# Altium PCB Freezer_Controller.PcbDoc (part 2 of 3) (continued)
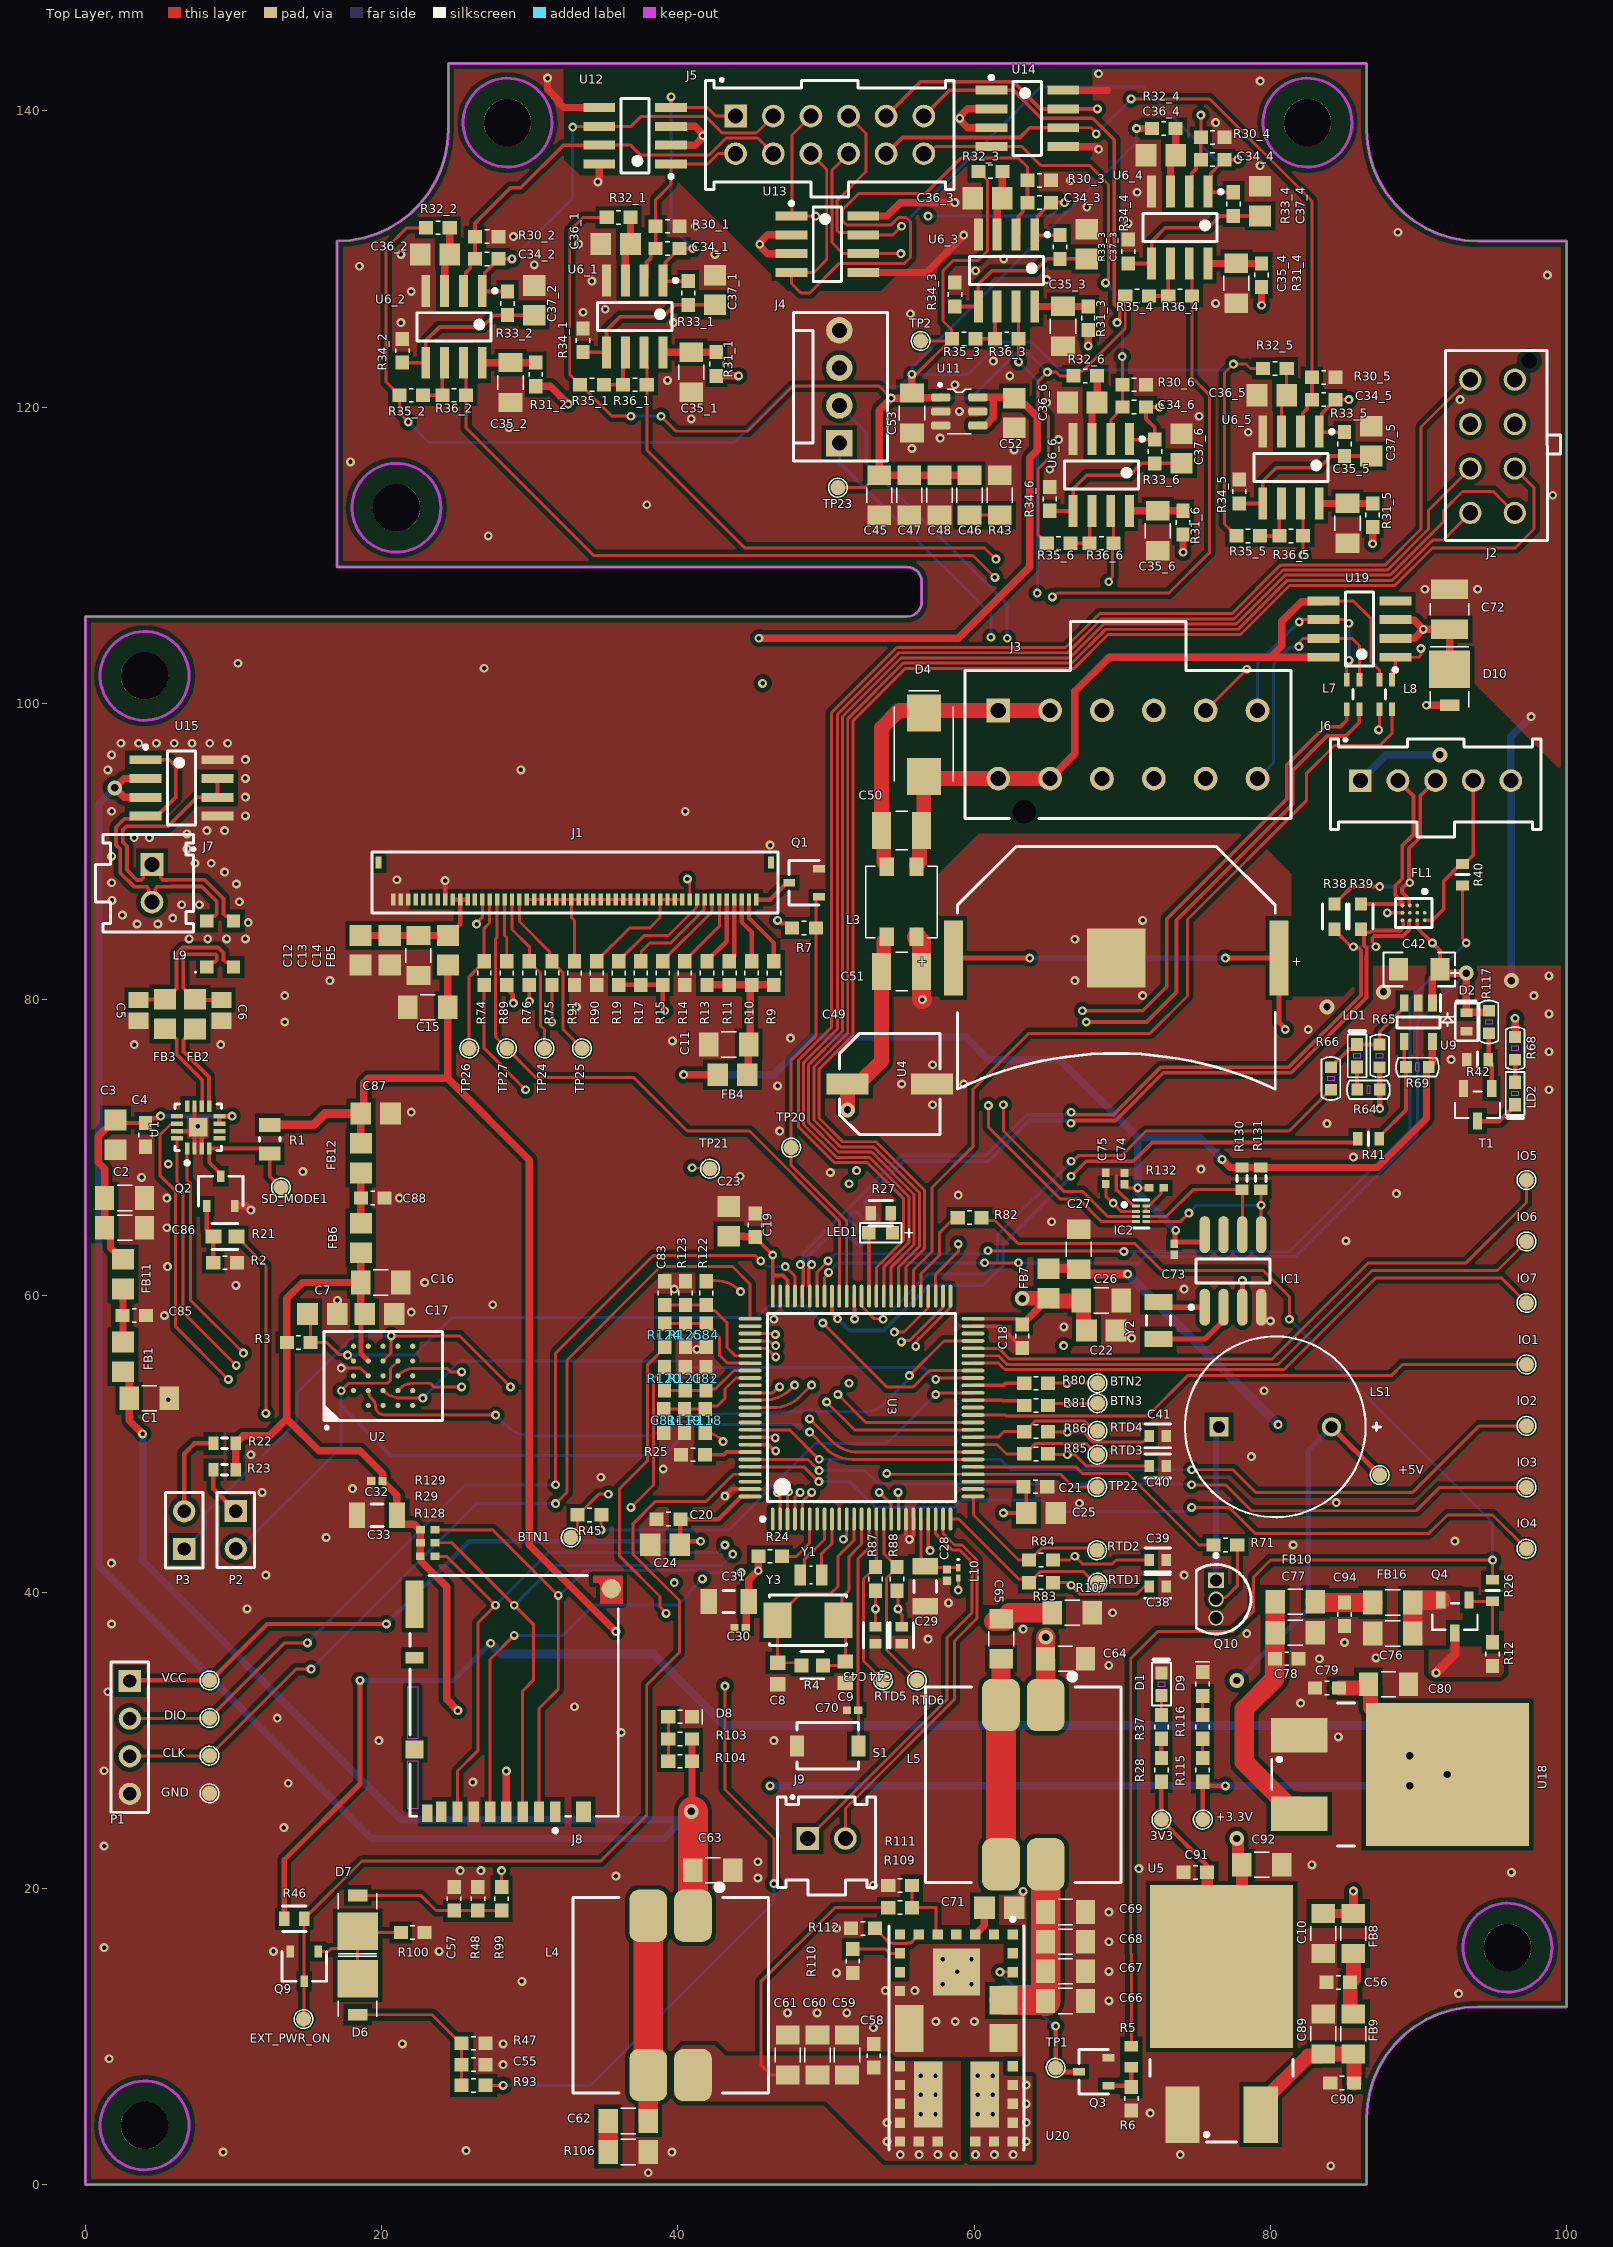
[diagram p0: Top Layer view]
## Nets (pads, with @x,y where several pads share a name; then routed paths per layer and width w, separated by ;. In a path a pad name is that pad's centre, name@x,y a point inside that pad or via, vN(x,y) a via of type N, cw(c..) or ccw(c..) an arc to the next point about the centre after c; other vN are vias at no path point) (continued)
  Layer 1 w1: v1(45.524,130.987) 46.1,130.411 46.1,122.1 46.1,118.3 46.1,116.5 49.5,113.1 54.7,113.1 58.4,109.4 58.4,105.4 54.346,101.346 v1(45.72,101.346)
  Layer 2 w0.5: 34.2,75 40.289,75 40.359,74.93 v1(40.386,74.93)
  Layer 2 w1: v3(40.9,25.2) 40.9,28.3 30.48,38.72 30.48,71.28 34.2,75 34.2,89.826 v1(45.72,101.346)
  Bottom Layer w0.35: v3(77.724,34.036) 82.55,38.862 82.55,49.581 LS1.2@84.125,51.156
  Bottom Layer w0.5: v3(1.987,94.287) 0.9,93.2 0.9,41.772 19.304,23.368 39.068,23.368 40.338,24.638 ; v1(3.868,50.686) 3.868,42.222 3.81,42.164 21.336,24.638 40.338,24.638 ; v1(40.386,74.93) 46.482,74.93 49.022,77.47 59.436,77.47 60.96,75.946 65.786,75.946 70.73,71.002 71.04,70.692 ; v3(40.9,25.2) 40.338,24.638 ; v2@73.597,64.427 71.059,66.964 71.059,67.265 v1(71.04,67.285) 71.04,70.692 ; v1(76.733,69.215) 75.256,70.692 71.04,70.692
+10-25V: C10.2 C49.1 C51.2 C64.2 FB8.1 L3.1 L5.1 Q4.3 R12.1 | length 111.2
  Top Layer w0.6: C10.2@83.566,18.306 FB8.1@85.598,18.306 v2(85.598,19.812) ; v1(91.186,34.544) 92.456,35.814 Q4.3@92.456,37.254
  Top Layer w1: v3(51.45,72.55) C49.1@51.45,74.3 52.175,74.3 53.75,75.875 C51.2@53.75,81.9 53.9,82.05 53.9,83.925 54.1,84.125 L3.1@54.1,84.225
  Top Layer w1.3: C64.2@64.82,35.35 64.83,35.34 L5.1@64.83,32.375 ; C64.2@64.82,35.5 64.82,36.937 v3(64.835,36.952)
  Layer 1 w0.6: v3(64.835,36.952) 71.726,36.952 72.864,35.814 78.994,35.814 80.264,34.544 82.296,34.544 ; v2(85.598,19.812) 85.598,31.242 82.296,34.544 ; v1(91.186,34.544) 82.296,34.544
  Layer 1 w1: v3(51.45,72.55) 55.166,68.834 58.928,68.834 64.835,62.927 v3(64.835,36.952)
+10-25V_F3.3: C77.2 C78.2 FB10.2 U18.3 | length 16.6
  Top Layer w1.3: C77.2@80.3,37.2 C78.2@80.3,35.5 80.3,34.165 78.232,32.097 78.232,28.525 81.203,25.554 U18.3@81.948,25.554 ; C77.2@80.32,37.25 FB10.2@80.32,39.35
+10-25VIN: C50.2 D4.2 J3.1 J3.2 L3.4 | length 21.4
  Top Layer w1: L3.4@54.1,88.975 54.1,89.075 53.9,89.275 53.9,91.25 C50.2@53.75,91.4 53.75,98.35 54.915,99.515 J3.1@61.627,99.515 J3.2@65.127,99.515
+VCC_F: C16.2 C17.2 C32.2 C33.2 FB6.2 J8.4 R3.2 R22.1 R23.1 R29.1 R128.1 R129.1 U2.B4 | length 61.9
  Top Layer w0.35: C17.2@18.6,58.9 18.6,56.1 U2.B4@19.1,55.6
  Top Layer w0.5: R23.1@10.148,48.26 R22.1@10.148,50.038 10.148,50.138 10.248,50.238 10.348,50.238 10.656,50.546 12.446,50.546 13.6,51.7 ; C17.2@18.6,58.9 C16.2@18.6,60.9 ; FB6.2@18.6,62.9 C16.2@18.6,60.9 ; R129.1@22.606,44.171 R128.1@22.606,42.418 22.656,42.418 22.656,42.093 24.384,40.365 24.384,32.766 v2(25.146,32.004) ; R129.1@22.606,44.196 22.564,44.196 22.564,44.213 22.19,44.587 21.335,44.587 21.035,44.887 C33.2@21.035,45.187 21.035,46.529 20.096,47.468 20.096,47.488 20.086,47.498 C32.2@20.066,47.498 20.066,48.006 18.542,49.53 15.77,49.53 13.6,51.7 ; J8.4@28.423,25.17 v2(28.423,27.915) ; 13.6,51.7 R3.2@13.6,56.85 13.6,59.828 14.672,60.9 C16.2@18.6,60.9
  Layer 2 w0.5: v2(25.146,32.004) 25.165,31.985 25.165,31.172 v2(28.423,27.915)
\FLASH_RST: C7.2 R3.1 U2.A4 U3.43 | length 51.7
  Top Layer w0.2: C7.2@15.173,58.775 15.2,58.749 R3.1@15.2,56.85 16.302,56.85 17.1,56.052 17.648,56.052 v1(17.7,56) U2.A4@18.1,55.6 ; v1(49.784,58.166) 54.102,53.848 55.88,53.848 56.988,54.956 U3.43@59.925,54.956
  Bottom Layer w0.2: v1(17.7,56) 22.218,56 24.765,58.547 45.339,58.547 46.101,59.309 48.641,59.309 v1(49.784,58.166)
ACDC_VS: J3.4 R93.1 R118.1 | length 159.6
  Top Layer w0.2: R93.1@27,6.7 v1(28.2,6.7) ; R118.1@41.847,50.753 cw(c41.847,49.261) 42.902,50.316 v1(43.053,50.165) ; v1(43.18,33.655) 43.18,26.67 46.482,23.368 v1(46.482,20.32)
  Layer 2 w0.2: v1(43.053,50.165) 38.1,45.212 38.1,38.394 41.644,34.85 41.985,34.85 43.072,33.763 43.072,33.655 v1(43.18,33.655) 66.467,33.655 72.958,40.145 72.958,75.879 75.438,78.359 75.438,86.551 77.343,88.456 77.343,95.885 75.979,97.249 74.394,97.249 J3.4@72.127,99.515
  Bottom Layer w0.2: v1(28.2,6.7) 34.1,6.7 46.482,19.082 v1(46.482,20.32)
ACDC_VS_3.3: C81.2 R118.2 R119.2 U3.84 | length 7.1
  Top Layer w0.2: C81.2@39.047,52.353 R119.2@40.447,52.353 R118.2@41.847,52.353 42.071,52.578 42.672,52.578 43.188,53.094 43.188,53.719 43.924,54.456 U3.84@44.875,54.456
AUDIO_BCLK: U1.16 U3.4 | length 60.6
  Top Layer w0.2: U1.16@6.195,70.624 6.195,67.719 6.604,67.31 6.604,58.884 v1(10.187,55.301) ; U3.4@47.9,44.931 47.9,46.409 48.219,46.728 v2(48.252,46.728)
  Layer 1 w0.2: v1(10.187,55.301) 12.263,55.301 17.337,50.227 39.181,50.227 41.148,48.26 46.775,48.26 48.252,46.783 v2(48.252,46.728)
AUDIO_EN: R21.1 U3.2 | length 51.4
  Top Layer w0.2: R21.1@10.197,64.008 10.272,64.008 10.642,63.638 10.642,63.563 12.192,62.013 v1(12.192,52.07) ; v2(46.736,46.72) 46.736,46.612 46.9,46.448 U3.2@46.9,44.931
  Layer 1 w0.2: v1(12.192,52.07) 15.748,48.514 37.338,48.514 38.608,47.244 46.212,47.244 v2(46.736,46.72)
AUDIO_IN: U1.1 U3.5 | length 59.7
  Top Layer w0.2: U1.1@6.87,69.949 6.87,67.823 7.112,67.581 7.112,59.69 v1(10.668,56.134) ; U3.5@48.4,44.931 48.4,46.098 49.022,46.72 v2(49.022,46.736)
  Layer 1 w0.2: v1(10.668,56.134) 13.208,56.134 18.542,50.8 39.37,50.8 41.464,48.706 47.052,48.706 v2(49.022,46.736)
AUDIO_LRCLK: U1.14 U3.3 | length 62.7
  Top Layer w0.2: U1.14@6.195,71.624 6.145,71.574 5.741,71.574 5.05,70.883 5.05,68.102 6.096,67.056 6.096,57.912 v1(9.652,54.356) ; U3.3@47.4,44.931 47.4,46.53 47.408,46.537 47.408,46.696 v2(47.484,46.773)
  Layer 1 w0.2: v1(9.652,54.356) 12.192,54.356 17.018,49.53 39.116,49.53 40.894,47.752 46.505,47.752 v2(47.484,46.773)
AUDIO_N: J7.1 L9.2 U15.6 U15.7 | length 21.8
  Top Layer w0.255: U15.7@8.912,94.922 U15.6@8.912,93.652 7.546,93.652 5.588,91.694 2.777,91.694 2.523,91.439 2.523,90.632 2.81,90.344 2.81,88.738 3.471,88.077 3.757,88.077 3.907,88.227 3.907,88.527 J7.1@4.5,89.12 5.093,88.527 5.093,88.227 5.242,88.077 5.528,88.077 5.536,88.085 8.045,88.085 9.327,86.802 9.327,85.772 9.477,85.623 9.677,85.623 L9.2@10,85.3
AUDIO_P: J7.2 L9.3 U15.1 U15.4 | length 23.1
  Top Layer w0.255: U15.1@4.062,96.192 5.662,96.192 6.096,95.758 6.096,93.641 4.837,92.382 U15.4@4.062,92.382 3.89,92.21 2.65,92.21 2.068,91.628 2.068,90.443 2.355,90.155 2.355,88.55 3.283,87.622 4.131,87.622 4.28,87.473 4.28,86.799 J7.2@4.5,86.58 4.72,86.799 4.72,87.473 4.869,87.622 5.717,87.622 5.725,87.63 7.857,87.63 8.873,86.614 8.873,85.772 8.723,85.623 8.523,85.623 L9.3@8.2,85.3
BKLGHT_ON: Q1.1 R7.1 TP20.1 U3.65 | length 29.3
  Top Layer w0.2: Q1.1@49.514,86.934 49.464,86.934 49.314,86.784 49.314,85.344 49.314,77.563 47.625,75.874 47.625,70.003 47.625,68.834 51.4,65.059 U3.65@51.4,59.981
BTN1: BTN1.1 J4.3 R45.1 | length 96.2
  Top Layer w0.2: BTN1.1@32.766,43.688 32.766,43.891 33.236,44.361 R45.1@33.236,45.212 33.261,45.212 34.658,46.609 v1(35.306,46.609)
  Layer 2 w0.2: v1(35.306,46.609) 42.443,53.746 42.443,60.487 41.56,61.37 41.56,93.732 53.035,105.207 56.464,105.207 58.928,107.671 58.928,113.062 53.6,118.39 53.6,119.94 J4.3@50.9,122.64
BTN1_D: R45.2 U3.40 | length 30
  Top Layer w0.2: v1(34.798,44.196) 34.798,45.174 R45.2@34.836,45.212 ; v1(57.404,53.34) 57.512,53.34 57.628,53.456 U3.40@59.925,53.456
  Bottom Layer w0.2: v1(34.798,44.196) 43.434,44.196 49.276,50.038 54.102,50.038 v1(57.404,53.34)
BTN2: BTN2.1 J4.2 R80.1 | length 94.4
  Top Layer w0.2: R80.1@64.983,54.102 BTN2.1@68.326,54.102
  Layer 2 w0.2: v1(62.23,104.394) 59.193,101.357 54.63,101.357 45.534,92.261 45.534,71.469 59.091,57.912 62.738,57.912 64.464,56.186 64.464,55.892 v1(66.267,54.089)
  Bottom Layer w0.2: J4.2@50.9,120.1 52.705,118.295 52.705,116.205 62.23,106.68 v1(62.23,104.394)
BTN2_R: R80.2 U3.41 | length 3.5
  Top Layer w0.25: U3.41@59.925,53.956 61.976,53.956 62.122,54.102 R80.2@63.383,54.102
BTN3: BTN3.1 J4.1 R81.1 | length 91.6
  Top Layer w0.2: R81.1@64.983,52.596 65.135,52.747 BTN3.1@68.326,52.747
  Layer 2 w0.2: v1(61.129,104.46) 58.377,101.707 54.485,101.707 45.184,92.406 45.184,71.324 58.977,57.531 61.595,57.531 66.314,52.812 v1(66.314,52.737)
  Bottom Layer w0.2: J4.1@50.9,117.56 50.9,116.232 61.129,106.003 v1(61.129,104.46)
BTN3_R: R81.2 U3.39 | length 3.6
  Top Layer w0.25: U3.39@59.925,52.956 61.852,52.956 61.887,52.921 63.058,52.921 R81.2@63.383,52.596
Buzzer: R71.1 U3.30 | length 18.4
  Top Layer w0.2: U3.30@59.925,48.456 66.86,48.456 67.31,48.006 70.358,48.006 75.184,43.18 R71.1@76.162,43.18
CHRG_OK: J2.2 U3.61 | length 101.8
  Top Layer w0.2: U3.61@53.4,59.981 53.4,61.918 55.245,63.763 55.245,66.548 52.79,69.003 50.556,69.003 48.13,71.429 48.13,75.884 50.371,78.125 50.371,99.354 54.779,103.762 66.17,103.762 68.456,106.048 77.398,106.048 80.7,109.35 87.76,109.35 90.17,111.76 90.17,118.648 93.37,121.848 J2.2@93.496,121.848
CLK: U2.B2 U3.47 | length 44.7
  Top Layer w0.2: U2.B2@19.1,53.6 ccw(c19.824,53.6) 19.312,53.088 19.388,53.012 cw(c18.876,52.5) 19.6,52.5 ccw(c20.083,52.5) 19.741,52.159 ccw(c20.262,52.679) 20.262,51.943 v1(27.7,51.943) ; v1(55.626,54.61) 57.972,56.956 U3.47@59.925,56.956
  Bottom Layer w0.2: v1(27.7,51.943) 28.353,51.29 ccw(c30.149,53.086) 30.149,50.546 37.683,50.546 ccw(c37.683,53.086) 39.479,51.29 cw(c41.056,49.713) 41.056,51.943 48.667,52.239 49.123,52.239 52.481,52.173 52.647,52.173 52.649,52.173 ccw(c52.646,53.928) 53.888,52.688 55.494,54.294 55.494,54.369 55.626,54.502 v1(55.626,54.61)
CMP_SPD_EXT: J3.5 L8.1 U19.1 | length 20.1
  Top Layer w0.2: J3.5@75.627,99.515 v1(78.412,102.3) ; L8.1@88.2,101.6 88.2,102.3 88.438,102.538 U19.1@88.438,103.108 90.008,103.108 90.155,103.255 90.155,103.696 v1(90.159,103.7)
  Layer 1 w0.2: v1(78.412,102.3) 79.383,103.271 84.502,103.271 84.931,103.7 v1(90.159,103.7)
CMPRSR_D: J2.6 U3.60 | length 95.5
  Top Layer w0.2: U3.60@53.9,59.981 53.9,61.923 55.595,63.618 55.595,66.693 52.935,69.353 50.701,69.353 48.48,71.574 48.48,75.739 50.766,78.025 50.766,99.254 54.924,103.412 66.315,103.412 68.601,105.698 77.543,105.698 80.845,109 87.918,109 90.678,111.76 90.678,113.03 J2.6@93.496,115.848
CMPRSR_EN: J2.5 U3.57 | length 100.5
  Top Layer w0.2: U3.57@55.4,59.981 55.4,61.939 56.645,63.184 56.645,67.128 53.37,70.403 51.136,70.403 49.53,72.009 49.53,75.304 51.816,77.59 51.816,98.819 55.359,102.362 66.75,102.362 69.036,104.648 77.978,104.648 81.28,107.95 88.392,107.95 90.932,110.49 96.52,110.49 97.79,111.76 97.79,114.554 J2.5@96.496,115.848
CMPRSR_FAN: J2.7 U3.59 | length 97.7
  Top Layer w0.2: U3.59@54.4,59.981 54.4,61.928 55.945,63.474 55.945,66.838 53.08,69.703 50.846,69.703 48.83,71.719 48.83,75.594 51.116,77.88 51.116,99.109 55.069,103.062 66.46,103.062 68.746,105.348 77.688,105.348 80.99,108.65 88.076,108.65 91.694,112.268 91.694,113.03 92.964,114.3 95.044,114.3 J2.7@96.496,112.848
CMPRSR_SPD: L8.2 U3.56 | length 59.6
  Top Layer w0.2: U3.56@55.9,59.981 55.9,61.742 57.15,62.992 57.15,67.31 59.944,70.104 59.926,70.122 59.926,73.952 63.698,77.724 71.882,77.724 74.4,80.242 74.4,85.4 82.423,93.423 82.423,95.25 84.328,97.155 87.376,97.155 88.2,97.979 L8.2@88.2,99.6
CS: U2.C2 U3.42 | length 41.6
  Top Layer w0.2: U2.C2@20.1,53.6 ccw(c21.307,54.807) 21.307,53.1 v1(22.783,53.1) ; v1(57.404,54.356) 57.512,54.356 57.612,54.456 U3.42@59.925,54.456
  Bottom Layer w0.2: v1(22.783,53.1) 25.293,55.61 40.531,55.61 40.981,55.16 56.6,55.16 v1(57.404,54.356)
D/CX(SCL): J1.37 R74.2 TP26.1 | length 10.6
  Top Layer w0.2: TP26.1@25.908,76.708 25.908,81.547 26.924,82.563 R74.2@26.924,82.588 26.924,84.82 27.276,85.173 27.276,86.726 J1.37@27.3,86.75
DB0: J1.15 J1.16 J1.17 J1.18 J1.19 J1.20 J1.21 J1.22 J1.23 J1.24 J1.25 J1.26 J1.27 J1.28 J1.29 J1.30 J1.31 J1.32 R91.1 | length 12.7
  Top Layer w0.2: J1.32@29.8,86.75 J1.31@30.3,86.75 J1.30@30.8,86.75 J1.28@31.8,86.75 J1.27@32.3,86.75 32.766,86.75 J1.25@33.3,86.75 J1.24@33.8,86.75 J1.21@35.3,86.75 J1.20@35.8,86.75 J1.19@36.3,86.75 J1.18@36.8,86.75 J1.15@38.3,86.75 ; J1.26@32.807,86.743 32.807,85.557 33.021,85.343 R91.1@33.021,82.588
DCDC_VS: J3.3 R99.1 R120.1 | length 137
  Top Layer w0.2: R99.1@28.1,20.1 v1(28.1,21.2) ; v1(36.83,45.72) 38.347,47.237 38.347,54.428 39.097,55.179 R120.1@39.097,55.204
  Layer 1 w0.2: v1(28.1,21.2) 32.004,25.104 32.004,27.432 39.751,35.179 v1(39.751,40.64) 36.83,43.561 v1(36.83,45.72)
  Layer 2 w0.2: v1(39.751,40.64) 44.189,36.202 65.92,36.202 71.672,41.954 71.672,76.928 70.708,77.892 70.708,97.435 J3.3@68.627,99.515
DCDC_VS_3.3: C82.2 R120.2 R121.2 U3.83 | length 6.3
  Top Layer w0.2: R120.2@39.097,53.604 R121.2@40.497,53.604 C82.2@41.897,53.604 41.999,53.706 42.53,53.706 43.78,54.956 U3.83@44.875,54.956
DE: J1.11 J1.12 J1.13 J1.14 R90.2 | length 8.2
  Top Layer w0.2: R90.2@34.525,82.588 34.525,82.613 36.748,84.836 38.1,84.836 38.8,85.536 J1.14@38.8,86.75 J1.13@39.3,86.75 J1.12@39.8,86.75 J1.11@40.3,86.75
DISPL_CS: J1.38 TP22.1 U3.29 | length 66.1
  Top Layer w0.2: v1(26.416,85.09) 26.416,85.17 26.8,85.554 J1.38@26.8,86.75 ; v1(54.102,48.006) 54.152,47.956 65.836,47.956 66.7,47.092 TP22.1@68.301,47.092
  Layer 1 w0.2: v1(26.416,85.09) 28.321,85.09 32.258,81.153 32.258,78.486 38.1,72.644 38.1,69.088 42.037,65.151 42.037,63.881 51.485,54.433 51.485,54.179 v1(51.562,54.102)
  Layer 2 w0.2: v1(51.562,54.102) 51.562,52.07 54.102,49.53 v1(54.102,48.006)
DOUT_N: FL1.D1 J6.2 R39.2 | length 12.4
  Top Layer w0.255: R39.2@86.106,86.448 88.812,86.448 88.908,86.352 FL1.D1@88.912,86.352 88.912,86.448 88.912,86.56 88.421,87.051 88.421,87.681 88.9,88.16 88.9,90.397 89.653,91.15 89.653,93.733 J6.2@88.61,94.775
DOUT_P: FL1.C1 J6.3 R38.2 | length 15.4
  Top Layer w0.255: R38.2@84.328,86.448 84.328,86.498 84.601,86.771 84.651,86.771 85.51,87.63 v2(87.376,87.63) ; v2(89.408,87.884) v2@89.355,87.884 ; FL1.C1@89.412,86.352 89.367,86.397 89.367,86.749 88.876,87.24 88.876,87.492 89.11,87.727 89.157,87.727 89.315,87.884 v2@89.355,87.884 ; J6.3@91.15,94.775 90.108,93.733 90.108,90.962 89.355,90.209 v2@89.355,87.884
  Bottom Layer w0.255: v2(87.376,87.63) 89.061,87.63 89.315,87.884 v2(89.408,87.884)
DQ0: U2.D3 U3.36 | length 41.9
  Top Layer w0.2: U2.D3@21.1,54.6 21.176,54.676 cw(c22.2,53.651) 22.2,55.1 24.431,55.1 24.667,54.864 v2(25.4,54.864) ; v2(50.8,53.34) 52.684,51.456 U3.36@59.925,51.456
  Layer 1 w0.2: v2(25.4,54.864) 26.579,56.043 40.223,56.043 41.148,55.118 49.784,55.118 50.8,54.102 v2(50.8,53.34)
DQ1: U2.D2 U3.35 | length 42.4
  Top Layer w0.2: U2.D2@21.1,53.6 21.246,53.746 cw(c22.1,52.893) 22.1,54.1 23.294,54.1 23.546,53.848 v2(25.4,53.848) ; v2(50.038,52.832) 51.914,50.956 U3.35@59.925,50.956
  Layer 1 w0.2: v2(25.4,53.848) 27.205,55.653 39.851,55.653 40.894,54.61 49.276,54.61 50.038,53.848 v2(50.038,52.832)
DQ3/H\O\L\D\: P2.2 U2.D4 U3.31 | length 64.7
  Top Layer w0.2: v1@17.235,53.594 v1(17.272,53.594) 17.272,53.616 17.756,54.1 20.4,54.1 20.6,54.3 20.6,55.1 U2.D4@21.1,55.6 ; v1(48.895,50.8) 49.995,49.7 ccw(c51.791,51.496) 51.791,48.956 U3.31@59.925,48.956
  Bottom Layer w0.2: P2.2@10.16,42.926 10.43,42.926 17.272,49.768 17.272,52.578 ; v1(17.272,53.594) 17.272,52.578 ; v1(48.895,50.8) 48.818,50.877 48.564,50.877 48.133,51.308 41.148,51.308 39.074,49.234 20.616,49.234 17.272,52.578
EN: R5.1 R26.1 R82.1 | length 102.5
  Top Layer w0.2: R82.1@60.49,65.278 60.678,65.09 61.402,65.09 62.95,63.542 70.824,63.542 72.644,61.722 79.502,61.722 81.28,59.944 v2(81.28,58.42) ; R5.1@70.612,9.336 70.612,15.554 70.57,15.596 70.57,35.518 72.39,37.338 77.47,37.338 78.867,38.735 78.867,41.021 80.01,42.164 v2(94.996,42.164) R26.1@94.996,40.802
  Bottom Layer w0.2: v2(81.28,58.42) 94.996,44.704 v2(94.996,42.164)
EXT_PWR_ON: EXT_PWR_ON.1 Q9.3 R46.1 U3.97 | length 64
  Top Layer w0.2: EXT_PWR_ON.1@14.732,11.176 14.753,11.197 14.753,13.711 Q9.3@14.775,13.732 R46.1@14.775,17.95 18.669,21.844 34.798,21.844 37.897,24.943 37.897,33.731 40.101,35.935 40.101,39.427 36.982,42.546 36.982,44.616 38.493,46.126 41.925,46.126 43.755,47.956 U3.97@44.875,47.956
EXT_PWR_ON_Z: J3.9 U3.53 | length 43.5
  Top Layer w0.2: U3.53@57.4,59.981 57.4,61.464 58.928,62.992 v1(58.928,63.5)
  Layer 2 w0.2: v1(58.928,63.5) 61.747,66.319 66.065,66.319 70.358,70.612 70.358,93.185 J3.9@68.627,94.915
FAN_CTL1: J2.3 U3.87 | length 112
  Top Layer w0.2: U3.87@44.875,52.956 45.808,52.956 ccw(c45.808,55.496) 47.604,53.7 v1(47.879,53.975)
  Layer 2 w0.2: v1(47.879,53.975) 47.447,54.407 47.447,58.347 42.271,63.523 42.271,93.453 53.325,104.507 56.754,104.507 59.823,107.575 59.823,109.873 62.014,112.065 73.043,112.065 80.826,119.848 95.496,119.848 J2.3@96.496,118.848
FAN_CTL2: J2.4 U3.88 | length 109.5
  Top Layer w0.2: U3.88@44.875,52.456 46.451,52.456 ccw(c46.451,54.996) 48.247,53.2 v1(49.022,53.975)
  Layer 2 w0.2: v1(49.022,53.975) 48.006,54.991 48.006,58.42 42.621,63.805 42.621,93.308 53.47,104.157 56.899,104.157 60.173,107.43 60.173,109.728 62.027,111.582 86.23,111.582 J2.4@93.496,118.848
FLASH_D2: P3.1 U2.C4 U3.32 | length 65.9
  Top Layer w0.2: U2.C4@20.1,55.6 20.634,56.134 20.634,57.284 v2(20.651,57.301) 25.263,57.301 28.702,53.862 v1(28.702,53.848) ; v1(48.895,51.689) 50.384,50.2 ccw(c52.18,51.996) 52.18,49.456 U3.32@59.925,49.456
  Layer 1 w0.2: v1(28.702,53.848) 29.21,53.34 46.192,53.34 cw(c46.192,50.8) 47.988,52.596 v1(48.895,51.689)
  Bottom Layer w0.2: P3.1@6.673,42.909 8.128,44.365 8.128,45.353 14.293,51.518 14.293,53.437 18.157,57.301 v2(20.651,57.301)
GND: C1.1 C2.1 C3.1 C4.2 C5.1 C6.1 C7.1 C8.2 C9.2 C10.1 C11.1 C12.1 C13.1 C14.1 C15.1 C16.1 C17.1 C18.1 C19.1 C20.1 C21.1 C22.1 C23.1 C24.1 C25.1 C26.1 C27.1 C28.1 C29.1 C30.1 C31.1 C32.1 C33.1 C35_1.1 C35_2.1 C35_3.1 C35_4.1 C35_5.1 C35_6.1 C36_1.1 C36_2.1 C36_3.1 C36_4.1 C36_5.1 C36_6.1 C37_1.1 C37_2.1 C37_3.1 C37_4.1 C37_5.1 C37_6.1 C38.2 C39.2 C40.2 C41.2 C42.2 C43.2 C44.2 C45.1 C47.1 C48.1 C49.2 C51.1 C52.1 C53.1 C55.1 C56.1 C57.1 C58.1 C59.1 C60.1 C61.1 C63.1 C64.1 C66.1 C67.1 C68.1 C69.1 C70.1 C71.1 C72.1 C73.2 C74.2 C75.2 C76.1 C77.1 C78.1 C79.1 C80.1 C81.1 C82.1 C83.1 C84.1 C85.2 C86.1 C87.1 C88.2 C89.1 C90.1 C91.1 C92.1 C94.1 D1.2 D2.2 D8.2 D9.2 FL1.D2 GND.1 IC1.4 IC2.1 J1.43 J1.48 J1.49 J1.50 J4.4 J6.5 J8.6 L3.2 L8.3 P1.4 Q1.2 Q2.2 Q3.2 Q9.2 Q10.3 R2.2 R6.2 R14.1 R25.1 R27.1 R30_1.1 R30_2.1 R30_3.1 R30_4.1 R30_5.1 R30_6.1 R34_1.1 R34_2.1 R34_3.1 R34_4.1 R34_5.1 R34_6.1 R42.2 R43.1 R47.1 R48.1 R90.1 R91.2 R100.2 R106.1 R107.1 R110.1 R111.1 R112.1 R119.1 R121.1 R123.1 R125.1 S1.2 T1.2 U1.2 U1.3 U1.11 U1.15 U1.17 U2.B3 U3.10 U3.19 U3.20 U3.27 U3.49 U3.74 U3.99 U4.3 U5.1 U6_1.4 U6_2.4 U6_3.4 U6_4.4 U6_5.4 U6_6.4 U9.2 U11.2 U11.3 U11.5 U12.5 U12.8 U13.5 U13.8 U14.5 U14.8 U15.5 U15.8 U18.1 U20.10 U20.11 U20.26 U20.30 | length 89.1
  Top Layer w0.2: P1.4@3,26.38 P1.4@3.018,26.398 ; GND.1@8.364,26.398 GND.1@8.382,26.416 ; v1(17.272,55.118) 18.582,55.118 U2.B3@19.1,54.6 ; 69.595,68.112 69.595,67.198 70.168,66.625 70.193,66.625 70.766,66.053 IC2.1@70.931,66.053 ; v1(87.3,98.2) 87.35,98.25 L8.3@87.35,99.6
  Top Layer w0.25: v1(43.18,46.482) 43.654,46.956 U3.99@44.875,46.956 ; U3.19@55.4,44.931 55.4,43.869 55.626,43.643 v1(55.626,43.561) 55.9,43.835 U3.20@55.9,44.931 ; U3.49@59.925,57.956 61.767,57.956 62.896,56.827 62.921,56.827 63.246,56.502 C18.1@63.246,56.477 ; v1(87.884,85.852) FL1.D2@88.912,85.852
  Top Layer w0.3: U1.15@6.195,71.124 U1.17@7.37,71.124 ; U1.2@7.37,69.949 U1.17@7.37,71.124 ; U1.11@7.37,72.799 7.37,71.624 U1.17@7.62,71.374 ; U1.3@7.87,69.949 7.87,71.124 U1.17@7.62,71.374 ; v1(24.284,88.034) 24.3,88.019 J1.43@24.3,86.75 ; U1.17@7.37,71.124 U1.17@7.62,71.374
  Top Layer w0.5: Q2.2@10.094,66.072 10.863,66.072 11.149,65.786 v2(11.176,65.786) ; v1(31.2,142.2) 31.2,141.45 32,140.65 32,140.511 32.293,140.218 U12.5@34.688,140.218 ; v1(34.6,135.2) 34.6,135.227 34.688,135.315 U12.8@34.688,136.408 ; U13.5@52.512,129.082 56.782,129.082 v1(59.3,131.6) ; U13.8@52.512,132.892 54.092,132.892 55,133.8 v1(58.7,133.8) ; U14.5@66.012,137.582 68.191,137.582 68.373,137.4 v1(68.4,137.4) ; U14.8@66.012,141.392 68.992,141.392
  Top Layer w1.3: L3.2@56.1,84.225 56.45,83.875 C51.1@56.45,81.9 56.45,80.05 v1(56.5,80)
  Layer 2 w0.2: v1(87.3,98.2) 96.7,98.2 v1(97.6,99.1)
  Layer 2 w0.25: v3(87.63,80.518) 87.674,80.562 87.674,85.547 87.884,85.757 v1(87.884,85.852)
  Bottom Layer w0.5: v3(96.266,81.28) 96.248,81.298 96.248,94.757 J6.5@96.23,94.775 96.23,97.73 v1(97.6,99.1)
  other v1: 38,0.8 84.074,1.27 73.914,2.032 9.3,2.2 39.6,2.2 25.7,2.3 71.882,4.826 28.2,8.1 1.6,8.5 21.4,9.5 28.2,9.5 53.2,10.6 57.42,11.015 58.72,11.015 60.02,11.015 47.4,11.6 49.4,11.6 51.4,11.6 69.1,12.4 92.7,12.9 54,13.1 56,13.1 57.87,13.515 59.82,13.515 29.464,13.716 50.7,14.3 58.845,14.37 69.1,14.4 57.87,15.225 59.82,15.225 12.7,15.748 23.876,15.748 1.27,16.002 69.1,16.4 50.7,17.3 69.1,18.4 63.3,19.8 53.2,20.2 45.4,20.7 35.814,20.828 96.266,21.082 25.3,21.2 26.7,21.2 71.12,21.336 82.804,21.59 45.4,21.8 1.27,22.86 13.4,24.1 13.7,27.1 26.162,27.178 1.27,27.94 19.812,29.972 46.482,29.972 84.582,30.226 36.167,30.522 12.954,31.496 33.02,32.258 82.042,32.512 1.524,33.274 69.088,35.052 83.3,35.5 87.122,35.56 85,36.6 56.896,36.83 78.4,37.2 63.3,37.5 1.778,37.846 69.342,38.608 10.922,38.862 58.268,39.268 12.192,41.148 74.168,41.148 1.76,41.954 81.534,43.18 92.45,43.445 16.256,43.688 67.107,45.999 84.441,46.041 11.938,46.736 18.034,46.99 34.798,47.752 39.014,48.311 78.715,49.149 11.176,49.276 5.6,53 79.577,53.593 41.275,56.388 70.627,57.147 66.055,57.909 80,58.3 46.482,58.42 5.334,58.674 22,58.9 27.5,59.4 17.018,59.69 39.751,60.452 74.168,60.452 10.16,60.706 22.9,60.9 5.546,61.976 85.1,63.7 5.5,64.6 65.227,64.999 5.5,66.6 21.2,66.6 58.928,66.802 88.5,66.9 3.8,68 44.196,68.072 50.292,68.326 14.687,68.387 75.311,68.555 5.6,68.9 85.598,69.363 46.863,71.12 7.586,71.463 83.82,71.628 22,72.4 57.2,72.9 98.806,73.914 46.736,74.168 55.1,74.3 59.3,74.3 57.2,75.6 92.202,75.946 98.806,76.476 3.302,76.962 9.144,76.962 39.624,77.216 47.6,77.4 82.55,77.978 13.462,78.486 98.806,79.038 33.147,79.502 13.462,80.264 71.374,80.264 97.79,80.264 16.51,81.28 66.802,81.28 98.806,81.6 66.802,84.074 7,84.1 8.267,84.1 9.533,84.1 10.8,84.1 3.5,85.1 4.9,85.1 11,85.2 71.374,85.344 5.9,85.5 2.5,85.7 6.5,86.4 7.7,86.4 10.4,86.6 1.8,86.7 10.2,87.8 1.778,87.884 21.033,88.089 9.4,88.6 7.4,89.2 8.5,89.2 1.778,89.662 6.858,90.17 46.228,90.424 3.302,90.932 4.318,90.932 6.858,91.186 8.2,91.4 9.4,91.4 10.8,92.4 1.778,92.71 40.5,92.7 10.8,93.667 10.8,94.933 1.524,95.504 29.4,95.5 10.8,96.2 1.778,96.52 2.4,97.3 3.6,97.3 4.8,97.3 6,97.3 7.2,97.3 8.4,97.3 9.6,97.3 26.924,102.362 10.3,102.7 90.424,107.696 93.98,107.696 27.2,111.3 37.9,113.4 99.06,114.046 65.1,115.8 17.9,116.3 62.7,117.1 55.8,117.2 65.7,117.8 57.7,117.9 78.5,118.3 28.6,118.6 40.9,119.2 75.184,119.38 59,119.7 64.9,120.3 92.8,120.5 58.7,121.5 39.3,121.8 62.4,122.1 61.3,123.1 21.3,125.7 39.7,125.7 55.7,126.3 33.6,126.4 35.1,126.6 76.3,127 22,127.8 34.2,128.5 64.9,128.6 98.7,128.9 60.1,129.2 18.5,129.5 30.3,129.6 62,130 21.3,130.3 42.5,130.3 33.3,131 28.9,131.5 88.6,131.8 41.2,132.2 70.4,132.4 67.6,133.5 71,134.5 66.5,135.3 79.3,136.3 76.3,139.2 79.3,142 68.4,142.5
  other v3: 83.82,79.502
GND_EXT: C50.1 D4.1 J3.7 J3.8 L3.3 L8.4 U19.5 U19.8 | length 53.3
  Top Layer w0.2: U19.5@83.588,106.918 85.582,106.918 86.8,105.7 86.8,102.8 87.35,102.25 L8.4@87.35,101.6
  Top Layer w0.5: J3.8@65.127,94.915 66.8,96.588 66.8,100.8 69.108,103.108 80.01,103.108 ; U19.5@83.538,106.868 82.113,106.868 80.772,105.527 80.772,103.87 80.01,103.108 ; U19.8@83.588,103.108 80.01,103.108
  Top Layer w1: L3.3@56.1,88.975 56.1,89.075 56.3,89.275 56.3,91.85 56.6,92.15 D4.1@56.6,95.05 56.735,94.915 J3.7@61.627,94.915 J3.8@65.127,94.915
GPIO1: IO1.1 U3.37 | length 38.8
  Top Layer w0.2: U3.37@59.925,51.956 62.09,51.956 62.16,51.886 71.698,51.886 74.422,54.61 88.155,54.61 88.917,55.372 IO1.1@97.282,55.372
GPIO2: IO2.1 U3.91 | length 56
  Top Layer w0.2: U3.91@44.875,50.956 47.529,50.956 49.516,48.969 v2(49.544,48.969) ; v2(74.676,48.26) 77.47,48.26 78.994,46.736 89.613,46.736 94.1,51.223 IO2.1@97.282,51.223
  Bottom Layer w0.2: v2(49.544,48.969) 61.756,48.969 62.464,48.26 v2(74.676,48.26)
GPIO3: IO3.1 U3.95 | length 54.5
  Top Layer w0.2: U3.95@44.875,48.956 48.779,48.956 v2(49.53,48.205) ; v2(74.676,47.244) 76.962,47.244 78.715,45.491 89.846,45.491 91.429,47.075 IO3.1@97.282,47.075
  Bottom Layer w0.2: v2(49.53,48.205) 52.633,48.205 53.552,47.286 74.634,47.286 v2(74.676,47.244)
GPIO4: IO4.1 U3.96 | length 56.4
  Top Layer w0.2: U3.96@44.875,48.456 48.501,48.456 49.502,47.455 v2(49.517,47.455) ; v2(74.676,45.72) 77.216,45.72 78.994,43.942 90.678,43.942 91.948,45.212 94.996,45.212 IO4.1@97.282,42.926
  Bottom Layer w0.2: v2(49.517,47.455) 51.605,47.455 53.34,45.72 58.674,45.72 59.182,46.228 64.516,46.228 65.295,45.449 74.405,45.449 v2(74.676,45.72)
GPIO5: IO5.1 U3.46 | length 43.6
  Top Layer w0.2: U3.46@59.925,56.456 61.654,56.456 62.388,55.722 80.106,55.722 86.614,62.23 93.218,62.23 97.282,66.294 IO5.1@97.282,67.818
GPIO6: IO6.1 U3.45 | length 41
  Top Layer w0.2: U3.45@59.925,55.956 61.646,55.956 62.23,55.372 80.518,55.372 86.861,61.715 95.328,61.715 IO6.1@97.282,63.669
GPIO7: IO7.1 U3.44 | length 40.8
  Top Layer w0.2: U3.44@59.925,55.456 61.638,55.456 61.976,55.118 61.989,55.118 62.085,55.022 80.93,55.022 87.122,61.214 95.589,61.214 IO7.1@97.282,59.521
HTR_CTL: J2.1 U3.86 | length 112.5
  Top Layer w0.2: U3.86@44.875,53.456 46.406,53.456 46.798,53.848 v1(46.863,53.848)
  Layer 2 w0.2: v1(46.863,53.848) 45.085,55.626 45.085,60.214 41.91,63.389 41.91,93.587 53.18,104.857 56.609,104.857 59.461,107.709 59.461,110.236 63.881,114.656 72.949,114.656 81.141,122.848 94.113,122.848 95.113,121.848 J2.1@96.496,121.848
I2C1_SCL: IC2.3 L7.2 U3.92 | length 90
  Top Layer w0.2: v1(61.976,72.898) 61.976,71.12 66.04,67.056 67.31,67.056 69.013,65.353 IC2.3@70.931,65.353
  Top Layer w0.25: U3.92@44.875,50.456 46.522,50.456 v1(46.572,50.406) ; v1(67.564,78.486) 71.628,78.486 73.66,80.518 73.66,85.36 81.5,93.2 81.5,95.47 83.82,97.79 85.09,97.79 86,98.7 L7.2@86,99.6
  Layer 1 w0.25: v1(46.572,50.406) 46.589,50.389 46.893,50.389 47.311,49.971 50.225,49.971 52.501,52.247 52.501,59.836 51.562,60.775 v1(51.562,67.564)
  Layer 2 w0.25: v1(51.562,67.564) 56.642,67.564 v1(61.976,72.898) v1(67.564,78.486)
I2C1_SDA: IC2.4 L7.3 U3.93 | length 91.6
  Top Layer w0.2: v1(60.96,72.847) 60.96,71.374 65.786,66.548 67.056,66.548 68.601,65.003 IC2.4@70.931,65.003
  Top Layer w0.25: U3.93@44.875,49.956 46.088,49.956 46.514,49.53 v1(46.609,49.53) ; v1(67.31,79.248) 71.374,79.248 72.998,80.872 72.998,85.444 81.1,93.546 81.1,95.832 83.693,98.425 84.725,98.425 85.15,98.85 L7.3@85.15,99.6
  Layer 1 w0.25: v1(46.609,49.53) 48.912,49.53 48.926,49.544 51.068,49.544 53.273,51.749 53.273,67.885 52.745,68.413 52.11,68.413 v1(52.07,68.453)
  Layer 2 w0.25: v1(52.07,68.453) 56.566,68.453 v1(60.96,72.847) 60.96,72.873 67.31,79.223 v1(67.31,79.248)
IM0: J1.6 R14.2 | length 5.1
  Top Layer w0.2: R14.2@40.464,82.588 40.464,82.613 42.8,84.949 J1.6@42.8,86.75
IM1: J1.7 R15.1 | length 5.5
  Top Layer w0.2: R15.1@38.98,82.588 38.98,82.613 42.3,85.933 J1.7@42.3,86.75
IM2: J1.8 R17.1 | length 6.8
  Top Layer w0.2: R17.1@37.495,82.588 37.526,82.619 37.526,83.246 38.1,83.82 39.521,83.82 41.75,86.049 41.75,86.7 J1.8@41.8,86.75
IM3: J1.9 R19.1 | length 7.3
  Top Layer w0.2: R19.1@36.01,82.588 36.01,82.613 37.725,84.328 39.37,84.328 41.25,86.208 41.25,86.7 J1.9@41.3,86.75
LEDA1: J1.2 R9.2 | length 4.9
  Top Layer w0.3: J1.2@44.8,86.75 44.8,85.502 46.482,83.82 R9.2@46.482,82.588
LEDA2: J1.3 R10.2 | length 4.4
  Top Layer w0.3: J1.3@44.3,86.75 44.3,85.24 44.978,84.562 R10.2@44.978,82.588
LEDA3: J1.4 R11.2 | length 4.3
  Top Layer w0.3: R11.2@43.473,82.588 43.473,82.613 43.8,82.94 J1.4@43.8,86.75
LEDA4: J1.5 R13.2 | length 4.7
  Top Layer w0.3: R13.2@41.969,82.588 41.969,82.613 43.3,83.944 J1.5@43.3,86.75
LEDK: J1.1 Q1.3 | length 2.7
  Top Layer w0.3: J1.1@45.3,86.75 46.23,86.75 47.364,87.884 Q1.3@47.514,87.884
MCU_RST: C70.2 S1.1 U3.14 | length 15.6
  Top Layer w0.2: C70.2@52.152,32.032 52.152,42.246 52.9,42.994 U3.14@52.9,44.931 ; S1.1@52.18,29.628 C70.2@52.18,32.032
NetC2_2: C2.2 C3.2 C4.1 C86.2 FB11.2 U1.7 U1.8 | length 20.2
  Top Layer w0.3: C3.2@2.032,71.866 2.232,71.666 C4.1@4.064,71.666 4.064,71.691 4.364,71.991 4.854,71.991 4.999,72.136 v1(5.08,72.136) ; U1.7@9.045,71.624 U1.8@9.045,72.124 9.894,72.124 v1(9.906,72.136)
  Top Layer w0.5: C3.2@2.032,71.866 1.982,71.866 0.882,70.766 0.882,69 1.3,68.582 C2.2@1.3,66.6 C86.2@1.3,64.6 1.7,64.2 1.7,63.258 2.49,62.468 FB11.2@2.54,62.468
  Bottom Layer w0.3: v1(5.08,72.136) v1(9.906,72.136)